# Altium PCB PMR_for_R124_test.PcbDoc (part 1 of 2) (continued)
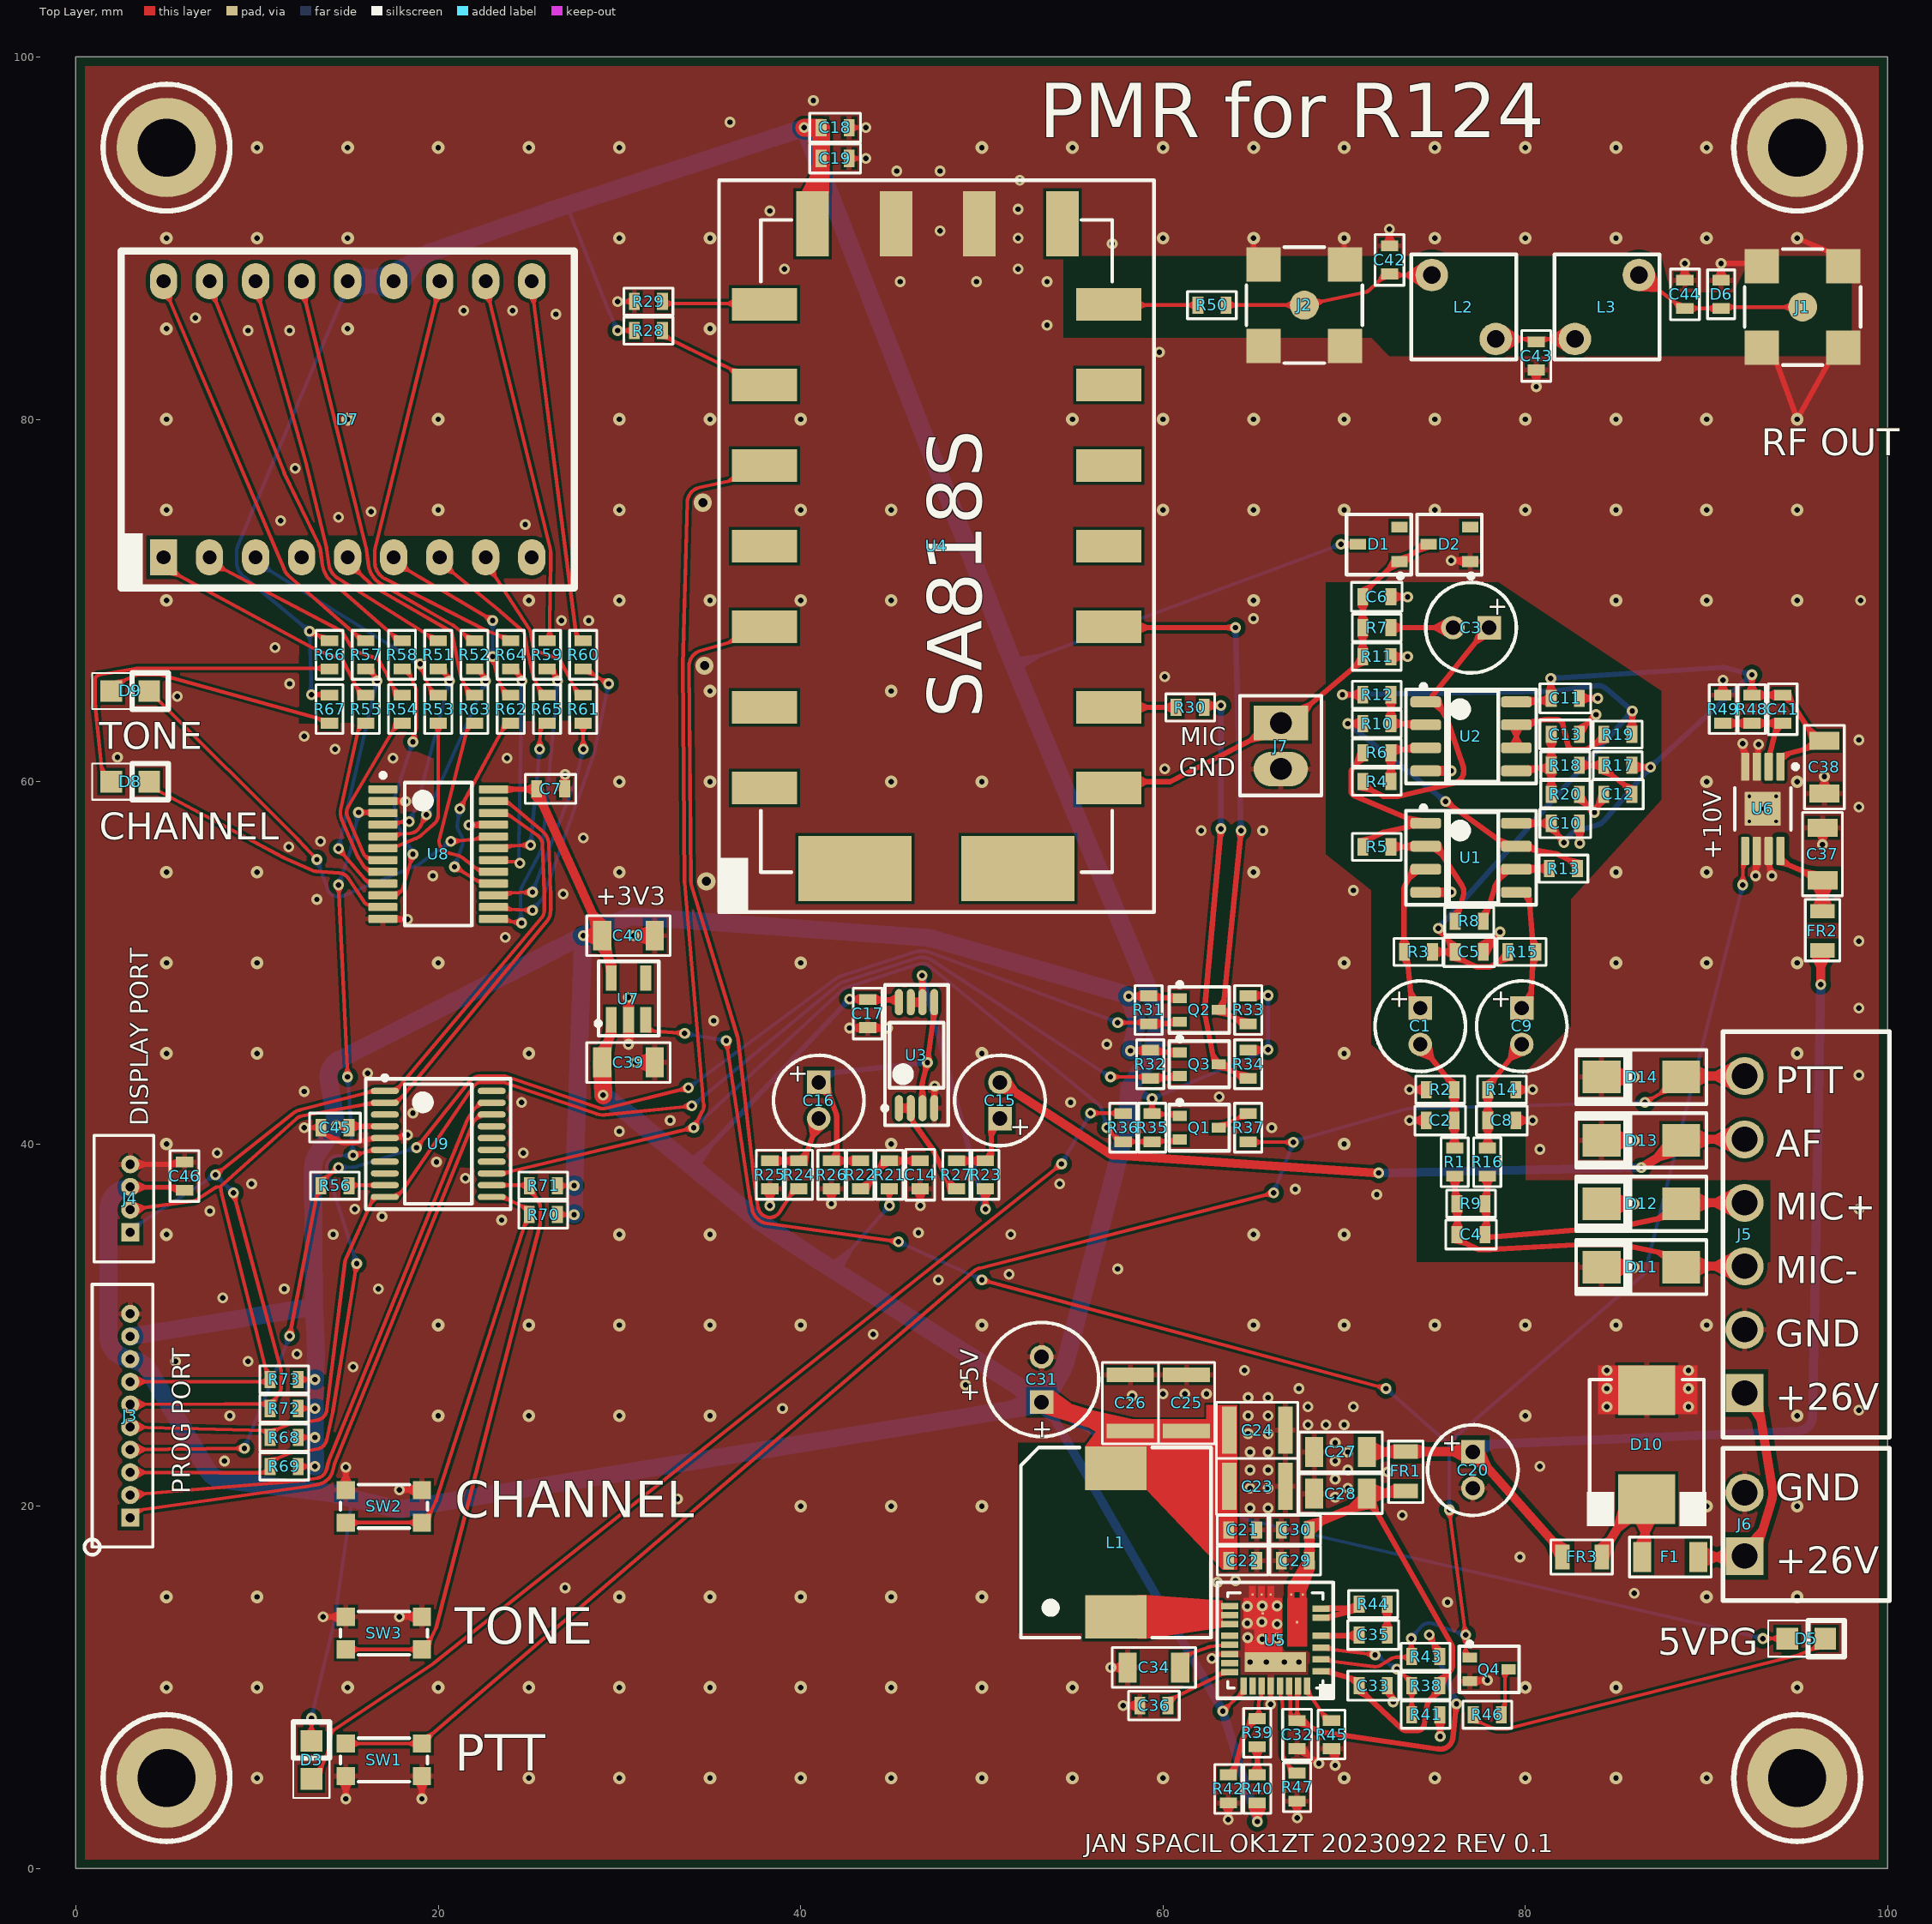
[diagram p0: Top Layer view]
## Part data (continued)
D5 D8 D9: library part MCL-S270GC, "MULTICOMP - MCL-S270GC - LED, 0805, GREEN, 10MCD, 570NM", Current Rating=20, Forward Voltage=2.1, Forward Voltage VF Max=2.6, LED Colour=Green, Manufacturer=MULTICOMP, Operating Temperature Max=85, Operating Temperature Min=-40, Operating Temperature Range="-40°C to +85", Peak Forward Current=100, Reverse Protection Voltage=5, Storage Temperature Max=+100, Supplier Part Number 1=1581242, Voltage Vf Min=1.7, Voltage Vf Typ="2.1V<!--FANDB--><div class=\"features-and-benefits-container\"><div class=\"features-and-benefits-description\"><span class=\"features-benefits-value\">The MCL-S270GC is a green SMD LED made of GaP dice. This LED offers water clear rectangular lens and 260°C for 5 seconds lead soldering temperature range 1.6mm from body.</span></div><div class=\"features-and-benefits-list\"><ul class=\"features-and-benefits-list-list\"><li class=\"features-and-benefits-list-item\">-40 to 85", Automotive Qualification Standard=-, Bulb Size="1.25mm x 1.4", ComponentLink1Description=http://www.farnell.com/cad/53028.pdf, ComponentLink1URL=http://www.farnell.com/cad/53028.pdf, ComponentLink2Description=http://www.farnell.com/datasheets/1671537.pdf, ComponentLink2URL=http://www.farnell.com/datasheets/1671537.pdf, Dominant Wavelength=570, Dominant Wavelength Typ=570, Forward Current If=20, Forward Current If Max=20, LED / Lamp Size="1.4mm x 1.25", LED Mounting=SMD, LED Type=Standard, Lens Shape=Rectangular, Luminous Intensity=10, Luminous Intensity Max=16, Luminous Intensity Min=4.5, Luminous Intensity Typ=10, Manufacturer Part Number=MCL-S270GC, MSL="MSL 3 - 168 hours", No. of Pins=2, Packaging="Cut Tape", Peak Wavelength=568, Pricing 1="5=0,145, 25=0,136, 100=0,126, 250=0,0813, 500=0,0645, 2000=0,0559, 5000=0,0496, 20000=0,0434 (GBP)", Product Range=-, RoHS=YES, Stock 1=80989, Storage Temperature Min=-40, Supplier 1=Farnell, Supplier 2=Newark, Supplier Part Number 2=14N9356, SVHC="No SVHC (17-Dec-2015)", Viewing Angle=140°, Wavelength Typ=570
D6: "ESD Suppressor ±25KV 2-Pin Case 0603 T/R", Capacitance=0.5pF, Case/Package=0603, Clamping Voltage=25V, Leakage Current=5nA, Manufacturer=Bourns, Max Operating Temperature=85°C, Max Voltage Rating (DC)=24V, Min Operating Temperature=-40°C, Package Quantity=5000, Supplier Part Number 1=652-CG0603MLC-24LEA, Category=Varistors, ComponentLink1Description=https://datasheet.ciiva.com/29507/mlc-29507976.pdf?src-supplier=Digi-Key, ComponentLink1URL=https://datasheet.ciiva.com/29507/mlc-29507976.pdf?src-supplier=Digi-Key, Contact Plating=Tin, Depth=0.8mm, Element Configuration=Single, Length=1.6mm, Manufacturer Part Number=CG0603MLC-24LEA, Mount="Surface Mount", Number of Circuits=1, Number of Pins=2, Packaging="Tape and Reel", Pricing 1="1=0,29000, 10=0,24400, 50=0,24400, 100=0,22700, 1000=0,16000, 10000=0,10800 (USD)", Radiation Hardening=No, RoHS=Yes, Stock 1=8361, Supplier 1=Mouser, Supplier 2=Digi-Key, Supplier 3="Arrow Electronics", Supplier Part Number 2=CG0603MLC-24LEA-ND, Supplier Part Number 3=CG0603MLC-24LEA, Working Voltage=24V
D7: "Displays Segmented Panel 2DIGIT 16LED Hi-Eff. Red CA 18-Pin DIP Tube", Case/Package=DIP, Color=Red, Forward Current=20mA, Forward Voltage=2.05V, Manufacturer="Broadcom Avago", Max Operating Temperature=85°C, Max Power Dissipation=62.5mW, Min Operating Temperature=-35°C, Package Quantity=200, Reverse Voltage=5V, Supplier Part Number 1=630-HDSP-521E, Test Current=10mA, Category="LED Displays", Character Height=18.6mm, Character Width=7.8mm, Depth=18.6mm, Display Type=Segment, Dominant Wavelength=628nm, Element Configuration="Common Anode", Height=0.732inch, Illumination Color=Red, Lead Free="Lead Free", Length=25mm, Luminous Intensity=4mcd, Manufacturer Part Number=HDSP-521E, Mount="Through Hole", Number of Characters=2, Number of Elements=16, Number of Pins=18, Number of Positions=2, Number of Segments=14, Operating Supply Voltage=2.05V, Packaging=Rail/Tube, Power Consumption=62.5mW, Power Dissipation=62.5mW, Pricing 1="1=2.84000, 10=1.90000, 50=1.90000, 100=1.47000, 1000=1.12000, 10000=1.09000 (USD)", Radiation Hardening=No, REACH SVHC="No SVHC", RoHS=Yes, RoHS Compliant=Yes, Series=-, Stock 1=3408, Supplier 1=Mouser, Supplier 2=Farnell, Supplier 3=Digi-Key, Supplier 4=RSComponents, Supplier Part Number 2=1003314, Supplier Part Number 3=516-1206-5-ND, Supplier Part Number 4=8305126, Viewing Area (height)=14.22mm, Viewing Area Length=7.8mm, Wavelength=628nm, Width=0.984inch
D10: "J Series 53.3 V 3000 W Surface Mount Uni-Directional TVS Diode - DO-214AB", Manufacturer=Littelfuse, Reverse Standoff Voltage=48V, Supplier Part Number 1=576-SMDJ48A, Category="TVS Diodes", ComponentLink1Description=https://datasheet.ciiva.com/16487/littelfuse-tvs-diodes-smdj-16487926.pdf?src-supplier=Future+Electronics, ComponentLink1URL=https://datasheet.ciiva.com/16487/littelfuse-tvs-diodes-smdj-16487926.pdf?src-supplier=Future+Electronics, ComponentLink2Description=https://datasheet.ciiva.com/332/littelfuse-tvs-diode-smdj-datasheet-pdf-332813.pdf?src-supplier=Digi-Key, ComponentLink2URL=https://datasheet.ciiva.com/332/littelfuse-tvs-diode-smdj-datasheet-pdf-332813.pdf?src-supplier=Digi-Key, ComponentLink3Description=https://datasheet.ciiva.com/332/littelfuse-tvs-diode-smdj-datasheet-pdf-332814.pdf?src-supplier=Digi-Key, ComponentLink3URL=https://datasheet.ciiva.com/332/littelfuse-tvs-diode-smdj-datasheet-pdf-332814.pdf?src-supplier=Digi-Key, ComponentLink4Description=https://datasheet.ciiva.com/332/littelfuse-tvs-diode-smdj-datasheet-pdf-332815.pdf?src-supplier=Digi-Key, ComponentLink4URL=https://datasheet.ciiva.com/332/littelfuse-tvs-diode-smdj-datasheet-pdf-332815.pdf?src-supplier=Digi-Key, Manufacturer Part Number=SMDJ48A, Pricing 1="1=1.02, 10=0.889, 50=0.889, 100=0.688, 1000=0.471, 10000=0.408 (USD)", RoHS=Yes, Stock 1=11613, Supplier 1=Mouser, Supplier 2=Farnell, Supplier 3=Digi-Key, Supplier Part Number 2=2762843, Supplier Part Number 3=SMDJ48ACT-ND
D11 D12 D13 D14: "ESD Suppressors / TVS Diodes 600W 5V 5% Bi-Directional", Manufacturer=Littelfuse, Reverse Standoff Voltage=5V, Supplier Part Number 1=576-SMA6J5.0CA, Category="TVS Diodes", ComponentLink1Description=http://www.farnell.com/datasheets/2736094.pdf?src-supplier=Farnell, ComponentLink1URL=http://www.farnell.com/datasheets/2736094.pdf?src-supplier=Farnell, ComponentLink2Description=https://datasheet.octopart.com/SMA6J5.0CA-Littelfuse-datasheet-114785799.pdf?src-supplier=Future+Electronics, ComponentLink2URL=https://datasheet.octopart.com/SMA6J5.0CA-Littelfuse-datasheet-114785799.pdf?src-supplier=Future+Electronics, ComponentLink3Description=https://www.littelfuse.com/~/media/electronics/datasheets/tvs_diodes/littelfuse_tvs_diode_sma6j_datasheet.pdf.pdf?src-supplier=Digi-Key, ComponentLink3URL=https://www.littelfuse.com/~/media/electronics/datasheets/tvs_diodes/littelfuse_tvs_diode_sma6j_datasheet.pdf.pdf?src-supplier=Digi-Key, ComponentLink4Description=http://www.farnell.com/datasheets/2736094.pdf?src-supplier=Newark, ComponentLink4URL=http://www.farnell.com/datasheets/2736094.pdf?src-supplier=Newark, ComponentLink5Description=http://www.farnell.com/datasheets/2736094.pdf?src-supplier=Element14, ComponentLink5URL=http://www.farnell.com/datasheets/2736094.pdf?src-supplier=Element14, Manufacturer Part Number=SMA6J5.0CA, Pricing 1="1=0.41, 10=0.35, 50=0.35, 100=0.243, 1000=0.139, 10000=0.115 (USD)", RoHS=Yes, Stock 1=57321, Supplier 1=Mouser, Supplier 2=Farnell, Supplier 3=Digi-Key, Supplier Part Number 2=3010381, Supplier Part Number 3=18-SMA6J5.0CACT-ND
F1: "FUSE BRD MNT 2A 48VAC 75VDC 1206", Case Code (Imperial)=1206, Case Code (Metric)=3216, Current Rating=2A, DC Cold Resistance=63.5mR, Manufacturer=Littelfuse, Max Operating Temperature=125°C, Min Operating Temperature=-55°C, Package Quantity=1500, Resistance=69.5mR, Supplier Part Number 1=576-0458002.DR, Voltage Rating=63V, Voltage Rating (AC)=48V, Voltage Rating (DC)=75V, Approvals=cULus, Body Material=Ceramic, Case/Package=1206, ComponentLink1Description=https://datasheet.ciiva.com/1730/337915-1730544.pdf?src-supplier=Newark, ComponentLink1URL=https://datasheet.ciiva.com/1730/337915-1730544.pdf?src-supplier=Newark, ComponentLink2Description=https://datasheet.ciiva.com/299/littelfuse-fuse-458-series-299804.pdf?src-supplier=Digi-Key, ComponentLink2URL=https://datasheet.ciiva.com/299/littelfuse-fuse-458-series-299804.pdf?src-supplier=Digi-Key, ComponentLink3Description=https://datasheet.ciiva.com/299/littelfuse-fuse-458-series-299805.pdf?src-supplier=Digi-Key, ComponentLink3URL=https://datasheet.ciiva.com/299/littelfuse-fuse-458-series-299805.pdf?src-supplier=Digi-Key, ComponentLink4Description=https://datasheet.ciiva.com/299/littelfuse-fuse-458-series-299806.pdf?src-supplier=Digi-Key, ComponentLink4URL=https://datasheet.ciiva.com/299/littelfuse-fuse-458-series-299806.pdf?src-supplier=Digi-Key, Depth=1.58mm, Fuse Current=2A, Fuse Type="Board Mount (Cartridge Style Excluded)", Height=0.062inch, Housing Material=Ceramic, Lead Free="Lead Free", Length=0.125inch, Manufacturer Part Number=0458002.DR, Mount="Surface Mount", Packaging="Tape and Reel", Pricing 1="1 = 1.31000, 10 = 0.97500, 50 = 0.97500, 100 = 0.81200, 1000 = 0.67000, 10000 = 0.50800 (USD)", Pricing 3="1 = 1.43000, 5 = 1.38400, 10 = 1.29500, 50 = 1.07180, 100 = 0.89320, 250 = 0.87088, 500 = 0.73690 (USD)", REACH SVHC="No SVHC", RoHS=Yes, Stock 1=11466, Stock 2=1620, Stock 3=14221, Supplier 1=Mouser, Supplier 2=Farnell, Supplier 3=Digi-Key, Supplier Part Number 2=1702533, Supplier Part Number 3=F2931CT-ND, Termination=SMD/SMT, Width=1.575mm, Working Voltage=63V
FR1 FR2 FR3: library part 742792023, "WURTH ELEKTRONIK - 742792023 - FERRITE BEAD, 0.03OHM, 3A, 0805", DC Current Rating=3, DC Resistance Max=0.03, Ferrite Case Style="0805 [2012 Metric]", Impedance Tolerance="± 25%", Manufacturer="WURTH ELEKTRONIK", Resistance="0.03ohm<!--FANDB--><div class=\"features-and-benefits-container\"><div class=\"features-and-benefits-description\"><span class=\"features-benefits-value\">The 742792023 is a SMD EMI Suppression Ferrite Bead with 0805 case and reliable Ni-Sn electrodes. It can be put directly on the printed circuit board. It offers excellent anti-EMI properties and low DC resistance. Placed very close next to the interference source even with smallest size 0402, maximal impedance at 1000", Supplier Part Number 1=710-742792023, Automotive Qualification Standard=-, ComponentLink1Description=http://www.farnell.com/datasheets/1695980.pdf, ComponentLink1URL=http://www.farnell.com/datasheets/1695980.pdf, ComponentLink2Description=http://www.farnell.com/cad/1670054.zip, ComponentLink2URL=http://www.farnell.com/cad/1670054.zip, Ferrite Mounting=SMD, Impedance @ 100MHz=120, Manufacturer Part Number=742792023, Packaging="Cut Tape", Pricing 1="1=0,123, 50=0,112, 100=0,103, 500=0,0937, 1000=0,0877, 2000=0,0846 (GBP)", Product Range=-, RoHS=YES, Stock 1=4283, Supplier 1=Mouser, Supplier 2=Farnell, Supplier 3=Digi-Key, Supplier Part Number 2=1635732, Supplier Part Number 3=732-1613-1-ND
J1 J2: library part 73415-1691, "MOLEX - 73415-1691 - RF COAXIAL, MCX, STRAIGHT JACK, 50OHM", Dielectric Material="Polytetrafluoroethylene (PTFE)", Frequency Max=6, Housing Color=Gold, Manufacturer=MOLEX, Operating Temperature="-55°C ~ 155°C", Supplier Part Number 1=538-73415-1691, Body Finish=Gold, Body Material=Brass, Cable Group=-, Category="Connectors, Interconnects", Center Contact Material="Beryllium Copper", Center Contact Plating=Gold, Coaxial Cable Types=-, Coaxial Termination="Surface Mount Vertical", ComponentLink1Description=http://www.farnell.com/cad/1518410.pdf, ComponentLink1URL=http://www.farnell.com/cad/1518410.pdf, ComponentLink2Description=http://www.farnell.com/datasheets/2133682.pdf, ComponentLink2URL=http://www.farnell.com/datasheets/2133682.pdf, ComponentLink3Description=https://www.molex.com/pdm_docs/sd/733660061_sd.pdf, ComponentLink3URL=https://www.molex.com/pdm_docs/sd/733660061_sd.pdf, Connector Body Style="Straight Jack", Connector Mounting="PCB Mount", Connector Style=MCX, Connector Type="MCX Coaxial", Contact Material="Beryllium Copper", Contact Plating="Gold Plated Contacts", Contact Termination=Solder, Fastening Type=Snap-On, Features=-, Impedance=50, Includes=-, Ingress Protection=-, Insertion Loss=-, Manufacturer Part Number=73415-1691, Mating Cycles=500, Mounting Feature=-, Mounting Type="Through Hole", Packaging=Tray, Part Status=Active, Pricing 1="1=1.65, 10=1.4, 50=1.25, 100=1.13, 250=1.06, 500=0.995 (GBP)", Pricing 4="1=1.95, 10=1.765, 25=1.6572, 50=1.5854, 100=1.5133, 250=1.36916, 500=1.26106, 1000=1.0809, 2500=1.00884 (USD)", Product Range=-, RoHS=YES, Shield Termination=Solder, Stock 1=733, Stock 4=39394, Supplier 1=Mouser, Supplier 2=Farnell, Supplier 3=Digi-Key, Supplier 4=Digi-Key, Supplier Part Number 2=1909246, Supplier Part Number 3=WM5559-ND, Supplier Part Number 4=WM5541-ND, Termination Method="Surface Mount<!--FANDB--><div class=\"features-and-benefits-container\"><div class=\"features-and-benefits-description\"><span class=\"features-benefits-value\">The 73415-1691 is a vertical surface-mount MCX Straight Jack Receptacle made of gold-plated brass body with gold-plated beryllium copper centre contact and a Teflon insulator.</span></div><div class=\"features-and-benefits-applications\"><ul class=\"features-and-benefits-value\"><li class=\"features-and-benefits-list-item\">RF Communications</li><li class=\"features-and-benefits-list-item\">Industrial</li></ul></div></div>"
J3: "1.25mm Pitch, PicoBlade PCB Header, Single Row, Vertical, Through Hole, Tin Plating, Friction Lock, 10 Circuits, Tray, 2.30mm PC Tail Length", Color=Natural, Contact Resistance=20MR, Current=1A, Flammability Rating="UL94 V-0", Housing Color=White, Insulation Resistance=100MR, Manufacturer=Molex, Max Operating Temperature=85°C, Max Voltage Rating (AC)=125V, Max Voltage Rating (DC)=125.125kV, Min Operating Temperature=-40°C, Package Quantity=2000, Supplier Part Number 1=538-53047-1010, Body Plating=Tin, Category="Headers and Wire Housings", ComponentLink1Description=https://datasheet.ciiva.com/5151/0530471010-pcb-headers-171035-5151940.pdf?src-supplier=Mouser, ComponentLink1URL=https://datasheet.ciiva.com/5151/0530471010-pcb-headers-171035-5151940.pdf?src-supplier=Mouser, ComponentLink2Description=https://datasheet.ciiva.com/30250/7280530471010-pcb-headers-30250345.pdf?src-supplier=Onlinecomponents.com, ComponentLink2URL=https://datasheet.ciiva.com/30250/7280530471010-pcb-headers-30250345.pdf?src-supplier=Onlinecomponents.com, ComponentLink3Description=https://datasheet.ciiva.com/11747/0900766b8024e2fd-11747087.pdf?src-supplier=RSComponents, ComponentLink3URL=https://datasheet.ciiva.com/11747/0900766b8024e2fd-11747087.pdf?src-supplier=RSComponents, ComponentLink4Description=https://datasheet.ciiva.com/19461/2033252-19461670.pdf?src-supplier=Jameco, ComponentLink4URL=https://datasheet.ciiva.com/19461/2033252-19461670.pdf?src-supplier=Jameco, ComponentLink5Description=https://datasheet.ciiva.com/10083/0530471010-pcb-headers-10083962.pdf?src-supplier=Avnet, ComponentLink5URL=https://datasheet.ciiva.com/10083/0530471010-pcb-headers-10083962.pdf?src-supplier=Avnet, ComponentLink6Description=https://datasheet.ciiva.com/20207/22-3930e-20207531.pdf?src-supplier=Rapid+Electronics, ComponentLink6URL=https://datasheet.ciiva.com/20207/22-3930e-20207531.pdf?src-supplier=Rapid+Electronics, ComponentLink7Description=https://datasheet.ciiva.com/3934/87920530470410-pcb-headers-3934064.pdf?src-supplier=Arrow, ComponentLink7URL=https://datasheet.ciiva.com/3934/87920530470410-pcb-headers-3934064.pdf?src-supplier=Arrow, Connector Type="Blade Pin", Contact Gender=Male, Contact Material=Bronze, Contact Mating Length=0.089inch, Contact Plating=Tin, Current Rating=1A, Depth=3.2mm, Glow Wire Compliant=Non-compliant, Height=4.2mm, Housing Material=Nylon, Lead Free="Lead Free", Lead Pitch=1.25mm, Length=14.25mm, Manufacturer Part Number=53047-1010, Max Current Rating=1A, Mount="Through Hole", Number of Circuits=10, Number of Contacts=10, Number of Poles=10, Number of Positions=10, Number of Rows=1, Orientation=Vertical, Packaging=Tray, Pitch=1.25mm, Plating=Tin, Pricing 1="1 = 0.50000, 10 = 0.48800, 50 = 0.48800, 100 = 0.37400, 1000 = 0.26800, 10000 = 0.21600 (USD)", Pricing 2="1 = 0.41890, 10 = 0.39900, 100 = 0.30530, 500 = 0.27600, 1000 = 0.24010, 8000 = 0.20770, 1 = 0.56870, 10 = 0.52970, 100 = 0.36620, 500 = 0.31550, 1000 = 0.26830, 100 = 0.37250 (USD)", Pricing 3="1 = 0.52000, 10 = 0.48900, 100 = 0.37470, 500 = 0.32580, 1000 = 0.26879, 8000 = 0.21992, 16000 = 0.21666 (USD)", Pricing 5="1=0,27000, 10=0,23400, 100=0,18000, 500=0,15400, 1000=0,13000, 5000=0,11200, 10000=0,10400 (USD)", Radiation Hardening=No, REACH SVHC=Unknown, RoHS=Yes, Stock 1=9729, Stock 2=19420, Stock 3=4931, Stock 4=12753, Stock 5=7971, Supplier 1=Mouser, Supplier 2=Arrow, Supplier 3=Digi-Key, Supplier 4=Farnell, Supplier 5=Mouser, Supplier Part Number 2=53047-1010, Supplier Part Number 3=WM1739-ND, Supplier Part Number 4=9733086, Supplier Part Number 5=538-53047-0410, Termination=Solder, Voltage=125V, Voltage Rating=125V, Voltage Rating (AC)=125V, Voltage Rating (DC)=125V, Working Voltage=125V
J4: "1.25mm Pitch, PicoBlade PCB Header, Single Row, Vertical, Through Hole, Tin Plating, Friction Lock, 4 Circuits, Tray, 2.30mm PC Tail Length", Color=Natural, Contact Resistance=20mR, Housing Color=White, Manufacturer=Molex, Manufacturer Part Number=0530470410, Max Operating Temperature=85°C, Max Voltage Rating (AC)=125V, Min Operating Temperature=-40°C, Supplier Part Number 1=538-53047-0410, Category="Headers and Wire Housings", ComponentLink1Description=https://datasheet.ciiva.com/3934/87920530470410-pcb-headers-3934064.pdf?src-supplier=Arrow, ComponentLink1URL=https://datasheet.ciiva.com/3934/87920530470410-pcb-headers-3934064.pdf?src-supplier=Arrow, Connector Type="Blade Pin", Contact Material=Bronze, Contact Mating Length=0.089inch, Contact Plating=Tin, Depth=3.2mm, Housing Material=Nylon, Length=6.75mm, Mount="Through Hole", Number of Contacts=4, Number of Positions=4, Number of Rows=1, Orientation=Straight, Packaging=Tray, Pitch=1.25mm, Pricing 4="1=0,27000, 10=0,23400, 100=0,18000, 500=0,15400, 1000=0,13000, 5000=0,11200, 10000=0,10400 (USD)", RoHS=Yes, Stock 4=7971, Supplier 1=Mouser, Supplier 2=Farnell, Supplier 3=Digi-Key, Supplier 4=Avnet, Supplier Part Number 2=9733060, Supplier Part Number 3=WM1733-ND, Supplier Part Number 4=0530470410, Termination=Solder
J5: "WR-TBL Serie 3221 - 3.50 mm Horizontal PCB Header, 06p", Supplier Part Number 1=732-2773-ND, ComponentLink1Description=Manufacturer, ComponentLink1URL=http://www.we-online.de, ComponentLink2Description=Datasheet, ComponentLink2URL=http://katalog.we-online.de/em/datasheet/6913221100xx.pdf, Part Number=691322110006, Pin Number=06p, Pitch="3.5 mm", Published Date="Jan 2017", Publisher="Wurth Elektronik", Supplier 1=Digi-Key, Supplier 2=Farnell, Supplier Part Number 2=1841319
J6: "WR-TBL Serie 3221 - 3.50 mm Horizontal PCB Header, 02p", Supplier Part Number 1=732-2769-ND, ComponentLink1Description=Manufacturer, ComponentLink1URL=http://www.we-online.de, ComponentLink2Description=Datasheet, ComponentLink2URL=http://katalog.we-online.de/em/datasheet/6913221100xx.pdf, Part Number=691322110002, Pin Number=02p, Pitch="3.5 mm", Published Date="Jan 2017", Publisher="Wurth Elektronik", Supplier 1=Digi-Key, Supplier 2=Farnell, Supplier 3=Mouser, Supplier Part Number 2=1841315, Supplier Part Number 3=710-691322110002
J7: "CONN HEADER 2 POS 2.54", Current Rating=3A, Insulation Color=Black, Manufacturer="Wurth Electronics Inc.", Material Flammability Rating="UL94 V-0", Operating Temperature="-40°C ~ 125°C", Supplier Part Number 1=710-61300211121, Voltage Rating=250V, Applications=-, Category="Connectors, Interconnects", ComponentLink1Description=https://katalog.we-online.de/em/datasheet/6130xx11121.pdf, ComponentLink1URL=https://katalog.we-online.de/em/datasheet/6130xx11121.pdf, Connector Type=Header, Contact Finish - Mating=Gold, Contact Finish - Post=-, Contact Finish Thickness - Mating=-, Contact Finish Thickness - Post=-, Contact Length - Mating="0.236\" (6.00mm)", Contact Length - Post="0.118\" (3.00mm)", Contact Material="Copper Alloy", Contact Shape=Square, Contact Type="Male Pin", Fastening Type=Push-Pull, Features=-, Ingress Protection=-, Insulation Height="0.100\" (2.54mm)", Insulation Material="Polybutylene Terephthalate (PBT)", Manufacturer Part Number=61300211121, Mated Stacking Heights=-, Mounting Type="Through Hole", Number of Positions=2, Number of Positions Loaded=All, Number of Rows=1, Overall Contact Length="0.454\" (11.54mm)", Packaging=Bulk, Part Status=Active, Pitch - Mating="0.100\" (2.54mm)", Pricing 1="1=0.13, 10=0.106, 25=0.088, 50=0.074, 100=0.067, 1000=0.061 (USD)", RoHS="RoHS Compliant", Row Spacing - Mating=-, Shrouding=Unshrouded, Stock 1=164911, Style="Board to Board or Cable", Supplier 1=Mouser, Supplier 2=Farnell, Supplier 3=Digi-Key, Supplier Part Number 2=2356153, Supplier Part Number 3=732-5315-ND, Termination=Solder
L1: library part CMP-0227-00046-2, Ambient Temperature Range High=110°C, Ambient Temperature Range Low=-40°C, Case/Package=1064, Current Rating=9.4A, DC Resistance (DCR)=8.4mΩ, Inductance=6.2µH, Inductance Tolerance=30%, Max DC Current=7A, Max Operating Temperature=150°C, Saturation Current=6.7A, Self Resonant Frequency=33MHz, Test Frequency=100kHz, Composition=Wirewound, Core Material="Composite, Ferrite, Metal", Depth=10.2mm, Height=6.1mm, Height - Seated (Max)=6.4008mm, Lead Pitch=5.8mm, Length=10.2mm, Min Operating Temperature=-40°C, Mount="Surface Mount", NexarPartId=14415868, Number of Pins=2, Packaging="Tape & Reel (TR)", REACH SVHC="No SVHC", RMS Current (Irms)=9.4A, RoHS=Compliant, Shielding=Shielded, Termination=SMD/SMT, Tolerance=30%, Width=10.2mm
L2 L3: library part 164-03A06L, "RF inductor, tunable, aluminum core, RoHS", Manufacturer=Coilcraft, Max DC Current=4.4A, Max Operating Temperature=85°C, Min Operating Temperature=-40°C, Package Quantity=50, Self Resonant Frequency=960MHz, Supplier Part Number 1=994-164-03A06L, Category="Fixed Inductors", ComponentLink1Description=http://www.mouser.com/ds/2/597/uni5-463500.pdf?src-supplier=Mouser, ComponentLink1URL=http://www.mouser.com/ds/2/597/uni5-463500.pdf?src-supplier=Mouser, Core Material=Aluminium, Height=7.87mm, Lead Free="Contains Lead", Length=5.21mm, Manufacturer Part Number=164-03A06L, Packaging=Rail/Tube, Pricing 1="1=5.71000, 10=5.71000, 50=4.84000, 100=4.37000, 1000=2.71000, 10000=2.71000 (USD)", Q Factor=130, RoHS=Yes, RoHS Compliant=Yes, Shielding=Unshielded, Stock 1=1168, Supplier 1=Mouser, Termination=Radial, Width=5.21mm
Q1 Q2 Q3 Q4: "NXP - NX3008NBKW - MOSFET, N CH, 30V, 350MA, SOT323", Continuous Drain Current Id=350, Drain Source Voltage Vds=30, Manufacturer=NXP, On Resistance Rds(on)=1, Operating Temperature Max=150, Operating Temperature Min=-55, Operating Temperature Range="-55°C to +150", Power Dissipation Pd=260, Pulse Current Idm=-0.8, Rds(on) Test Voltage Vgs=4.5, Supplier Part Number 1=771-NX3008NBKW,115, Threshold Voltage Vgs=900, Transistor Case Style=SOT-323, Voltage Vgs th Max=8, Automotive Qualification Standard=-, ComponentLink1Description=http://www.farnell.com/datasheets/1508392.pdf, ComponentLink1URL=http://www.farnell.com/datasheets/1508392.pdf, Manufacturer Part Number=NX3008NBKW, MSL="MSL 1 - Unlimited", No. of Pins=3, Pricing 1="1=0.0425, 25=0.0385, 100=0.0347, 250=0.0334, 500=0.0312, 2000=0.0291, 4000=0.0282, 20000=0.0273 (GBP)", Product Range=-, RoHS=YES, Stock 1=4764, Supplier 1=Mouser, Supplier 2=Farnell, Supplier 3=Arrow, Supplier Part Number 2=2069546, Supplier Part Number 3=NX3008NBKW,115, SVHC="No SVHC (17-Dec-2015)", Transistor Polarity="N Channel"
R1 R16 R19 R23 R24 R27 R30 R37 R56: library part RC0603FR-0747RL, "YAGEO - RC0603FR-0747RL - Surface Mount Chip Resistor, Thick Film, RC Series, 47 ohm, 100 mW, 1%, 50 V, 0603 [1608 Metric] RoHS Compliant: Yes", Case Code (Imperial)=0603, Case Code (Metric)=1608, Manufacturer=Yageo, Max Operating Temperature=155°C, Max Power Dissipation=100mW, Min Operating Temperature=-55°C, Package Quantity=1, Resistance=47R, Resistor Type="Thick Film", Supplier Part Number 1=603-RC0603FR-0747RL, Temperature Coefficient=100ppm/°C, Tolerance=1%, Voltage Rating=75V, Voltage Rating (DC)=50V, Case/Package=0603, Category="Chip SMD Resistors", ComponentLink1Description=https://datasheet.ciiva.com/2453/pyu-r-int-thick-7-2453922.pdf?src-supplier=Digi-Key, ComponentLink1URL=https://datasheet.ciiva.com/2453/pyu-r-int-thick-7-2453922.pdf?src-supplier=Digi-Key, ComponentLink2Description=https://datasheet.ciiva.com/2453/pyu-r-int-thick-7-2453923.pdf?src-supplier=Digi-Key, ComponentLink2URL=https://datasheet.ciiva.com/2453/pyu-r-int-thick-7-2453923.pdf?src-supplier=Digi-Key, ComponentLink3Description=https://datasheet.ciiva.com/2453/pyu-r-int-thick-7-2453924.pdf?src-supplier=Digi-Key, ComponentLink3URL=https://datasheet.ciiva.com/2453/pyu-r-int-thick-7-2453924.pdf?src-supplier=Digi-Key, ComponentLink4Description=https://datasheet.ciiva.com/7746/443971-7746363.pdf?src-supplier=Element14, ComponentLink4URL=https://datasheet.ciiva.com/7746/443971-7746363.pdf?src-supplier=Element14, ComponentLink5Description=https://datasheet.ciiva.com/7746/443971-7746364.pdf?src-supplier=Element14, ComponentLink5URL=https://datasheet.ciiva.com/7746/443971-7746364.pdf?src-supplier=Element14, ComponentLink6Description=https://datasheet.ciiva.com/46440/1868787-46440908.pdf?src-supplier=Element14, ComponentLink6URL=https://datasheet.ciiva.com/46440/1868787-46440908.pdf?src-supplier=Element14, Depth=0.8mm, Features="Moisture Resistant", Height=0.45mm, Lead Free="Lead Free", Length=1.6mm, Manufacturer Part Number=RC0603FR-0747RL, Military Standard=Not, Number of Pins=2, Number of Terminations=2, Packaging="Tape and Reel", Power Rating=100mW, Pricing 1="1=0.10000, 10=0.01800, 100=0.00600, 1000=0.00500, 5000=0.00300, 10000=0.00300 (USD)", REACH SVHC=Unknown, RoHS=Yes, Stock 1=314282, Supplier 1=Mouser, Supplier 2=Farnell, Supplier 3=Digi-Key, Supplier Part Number 2=9238328, Supplier Part Number 3=311-47.0HRCT-ND, Termination=SMD/SMT, Weight=7.1E-05oz, Width=0.8mm
R2 R3 R11 R14 R15 R20 R25 R26 R31 R32 R33 R34 R35 R41 R42 R49: library part RC0603FR-0710KL, "YAGEO (PHYCOMP) - RC0603FR-0710KL - RES, THICK FILM, 10K, 1%, 0.1W, 0603", Manufacturer="YAGEO (PHYCOMP)", Power Rating=100, Resistance=10k, Resistance Tolerance="± 1%", Resistor Case Style="0603 [1608 Metric]", Resistor Element Material="Thick Film", Supplier Part Number 1=603-RC0603FR-0710KL, Temperature Coefficient="± 100", Voltage Rating=50, Automotive Qualification Standard=-, ComponentLink1Description=http://past.yageo.com/pdf/PYu-R_Packing_6.pdf, ComponentLink1URL=http://past.yageo.com/pdf/PYu-R_Packing_6.pdf, ComponentLink2Description=http://www.farnell.com/datasheets/2167052.pdf, ComponentLink2URL=http://www.farnell.com/datasheets/2167052.pdf, Manufacturer Part Number=RC0603FR-0710KL, MSL="MSL 1 - Unlimited<!--FANDB--><div class=\"features-and-benefits-container\"><div class=\"features-and-benefits-desc-container\"><span class=\"features-and-benefits-container-desc\">SMD Chip Resistor, Thick Film, 10 kohm, 50 V, 0603 [1608 Metric], 100 mW, ± 1", Packaging="Tape & Reel", Pricing 1="5000=0.0025, 25000=0.0014, 50000=0.0013 (GBP)", Product Range="RC Series", RoHS=YES, Stock 1=9995, Supplier 1=Mouser, Supplier 2=Farnell, Supplier 3=Digi-Key, Supplier Part Number 2=2421850, Supplier Part Number 3=311-10.0KHRCT-ND, SVHC="No SVHC (20-Jun-2016)"
R4 R5 R6 R10 R12 R13: library part RT0603BRD0747KL, "RES SMD 47K OHM 0.1% 1/10W 0603", Case Code (Imperial)=0603, Case Code (Metric)=1608, Manufacturer=Yageo, Max Operating Temperature=125°C, Max Power Dissipation=100mW, Min Operating Temperature=-55°C, Package Quantity=5000, Resistance=47kR, Resistor Type="Thin Film", Supplier Part Number 1=603-RT0603BRD0747KL, Temperature Coefficient=25ppm/°C, Voltage Rating=75V, Voltage Rating (DC)=50V, Case/Package=0603, Category="Chip SMD Resistors", ComponentLink1Description=https://datasheet.ciiva.com/2585/pyu-rt-1-to-0-05-rohs-l-4-2585964.pdf?src-supplier=Digi-Key, ComponentLink1URL=https://datasheet.ciiva.com/2585/pyu-rt-1-to-0-05-rohs-l-4-2585964.pdf?src-supplier=Digi-Key, ComponentLink2Description=https://datasheet.ciiva.com/46635/pyu-rt-1-to-0-05-rohs-l-5-46635309.pdf?src-supplier=Digi-Key, ComponentLink2URL=https://datasheet.ciiva.com/46635/pyu-rt-1-to-0-05-rohs-l-5-46635309.pdf?src-supplier=Digi-Key, Construction=Rectangular, Contact Plating=Tin,Lead, Depth=0.8mm, Features="Moisture Resistant", Height=0.022inch, Lead Free="Lead Free", Length=0.063inch, Manufacturer Part Number=RT0603BRD0747KL, Military Standard=Not, Number of Terminations=2, Packaging="Tape and Reel", Power Rating=100mW, Pricing 1="1=0.38000, 10=0.23400, 50=0.23400, 100=0.07600, 1000=0.05300, 10000=0.03800 (USD)", RoHS=Yes, RoHS Compliant=Yes, Series=RT, Stock 1=4858, Supplier 1=Mouser, Supplier 2=Digi-Key, Supplier 3="Arrow Electronics", Supplier Part Number 2=YAG1667CT-ND, Supplier Part Number 3=RT0603BRD0747KL, Termination=SMD/SMT, Width=0.031inch
R7 R9 R36 R51 R52 R53 R54 R55 R57 R58 R59 R60 R61 R62 R63 R64 R65 R66 R67: library part MCWR06X1001FTL, "MULTICOMP - MCWR06X1001FTL - RES, THICK FILM, 1K, 1%, 0.1W, 0603", Manufacturer=MULTICOMP, Power Rating=100, Resistance=1k, Resistance Tolerance="± 1%", Resistor Case Style="0603 [1608 Metric]", Resistor Element Material="Thick Film", Supplier Part Number 1=2447272, Temperature Coefficient="± 100", Voltage Rating=50, Automotive Qualification Standard=-, ComponentLink1Description=http://www.farnell.com/datasheets/1849611.pdf, ComponentLink1URL=http://www.farnell.com/datasheets/1849611.pdf, Manufacturer Part Number=MCWR06X1001FTL, Packaging="Cut Tape", Pricing 1="10=0.0037, 100=0.0022, 500=0.0016, 1000=0.0012, 2500=0.001 (GBP)", Product Range="MCWR Series", RoHS=Y-EX, Stock 1=134740, Supplier 1=Farnell, Supplier 2=Newark, Supplier Part Number 2=94X1378, SVHC="No SVHC (07-Jul-2017)<!--FANDB--><div class=\"features-and-benefits-container\"><div class=\"features-and-benefits-desc-container\"><span class=\"features-and-benefits-container-desc\">SMD Chip Resistor, Thick Film, 1 kohm, 50 V, 0603 [1608 Metric], 100 mW, ± 1"
R8: library part RT0603BRB074K7L, "Res Thin Film 0603 4.7K Ohm 0.1% 0.1W(1/10W) ±10ppm/C Molded SMD Paper T/R", Case Code (Imperial)=0603, Case Code (Metric)=1608, Manufacturer=Yageo, Max Operating Temperature=125°C, Max Power Dissipation=100mW, Min Operating Temperature=-55°C, Resistance=4.7kR, Resistor Type="Thin Film", Supplier Part Number 1=603-RT0603BRB074K7L, Temperature Coefficient=10ppm/°C, Tolerance=0.1%, Voltage Rating=75V, Case/Package=0603, Category="Chip SMD Resistors", ComponentLink1Description=https://datasheet.ciiva.com/12721/pyu-rt-1-to-0-05-rohs-l-4-12721239.pdf?src-supplier=Mouser, ComponentLink1URL=https://datasheet.ciiva.com/12721/pyu-rt-1-to-0-05-rohs-l-4-12721239.pdf?src-supplier=Mouser, Construction=Rectangular, Depth=0.8mm, Features="Moisture Resistant", Height=0.022inch, Length=0.063inch, Manufacturer Part Number=RT0603BRB074K7L, Military Standard=Not, Number of Terminations=2, Packaging="Tape and Reel", Power Rating=100mW, Pricing 1="1=0.58000, 10=0.41700, 50=0.41700, 100=0.23600, 1000=0.19100, 10000=0.15800 (USD)", RoHS=Yes, RoHS Compliant=Yes, Series=RT, Stock 1=3590, Supplier 1=Mouser, Supplier 2=Digi-Key, Supplier Part Number 2=YAG4447CT-ND, Termination=SMD/SMT, Width=0.031inch